# Altium PCB C210.PcbDoc (part 2 of 8) (continued)
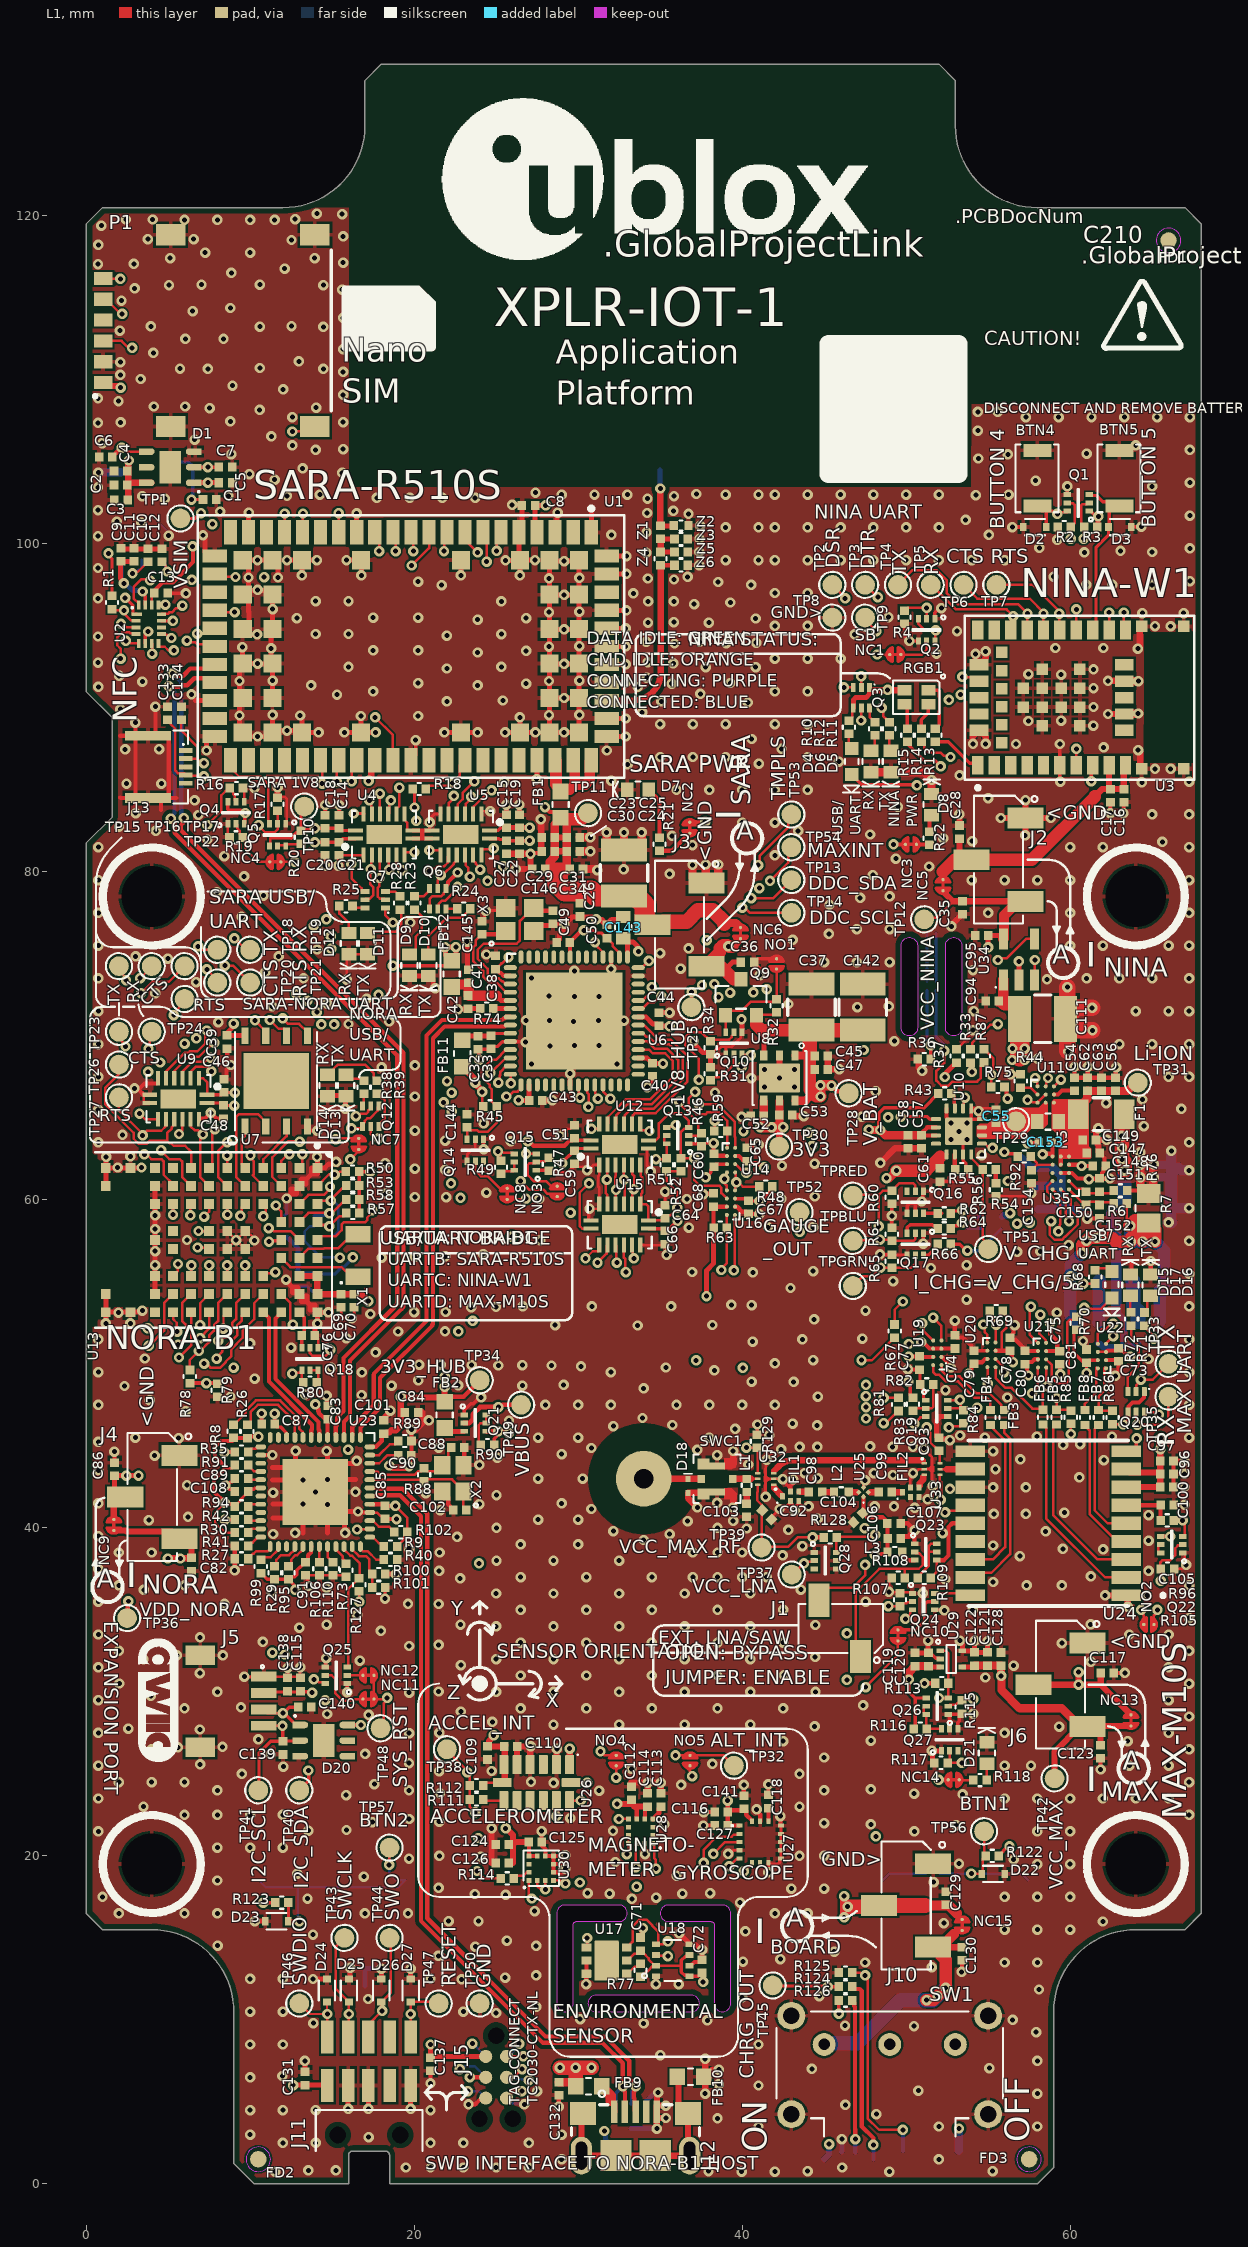
[diagram p0: L1 view]
## Part data
A1: "RF Passive, Antenna, LTE, 600-6000MHz, Monopole", Manufacturer 1=Taoglas, Manufacturer 2=None, Max Operating Temp=85, MFG Package=Custom, Min Operating Temp=-40, RF Freq="698-2700 MHz", Body Size="33mm x 25mm", Height=1.6mm, Item Phase=Unreleased, Manufacturer Part Number 1=PCS.66.A, Manufacturer Part Number 2=None, Part Number=PCS.66.A, Pins=5, Revision=None, Size=Other, SMT Pitch=None, Supplier 2=None, Supplier Part Number 2=None, UBX Code=None, Use in new designs=Yes, Voltage=None
A2: "ANT, THROUGH-HOLE, PATCH, GNSS, BEIDOU, GLONASS, GPS, 5dBi, 25MMx35MMx4MM", Manufacturer 1=Taoglas, Manufacturer 2=Molex, Manufacturer Part Number 2=2042860001, Max Operating Temp=125, MFG Package=Custom, Min Operating Temp=-55, Supplier Part Number 1=931-1472-ND, Voltage=N/A, Body Size="25mm x 25mm", Height=4mm, Item Phase=Unreleased, Manufacturer Part Number 1=CGGP.25.4.E.02, Part Number=CGGP.25.4.E.02, Pins=1, Revision=None, Size=Other, SMT Pitch=N/A, Supplier 1=Digi-key, Supplier 2=None, Supplier Part Number 2=None, UBX Code=None, Use in new designs=Yes
BTN1 BTN2: "Button, Tactile, SPST, NO, SMT, Vert", Manufacturer 1=E-Switch, Manufacturer Part Number 2=TL6120DF500QG, Max Operating Temp=None, Part Name="CON HDR 0.1\" 3 Pin 1 Row SMT R/A", Diameter=None, Height=3.05mm, Item Phase="In Production", Manufacturer 2=E-Switch, Manufacturer Part Number 1=TL6120DF300QG, Min Operating Temp=None, Part Number=TL6120DF300QG, Pins=3, Revision=0A, Supplier 1=None, Supplier 2=None, Supplier Part Number 1=None, Supplier Part Number 2=None, UBX Code=None, Use in new designs=Yes, Voltage=None
BTN3: "Button SPST-NO Off-MOM, 50mA 12V, Right Angle, SMT", Current=50mA, Manufacturer 1="Omron Electronics Inc-EMC Div", Manufacturer 2=None, Manufacturer Part Number 1=B3U-3000P, Max Operating Temp=70, Min Operating Temp=-25, Part Name="Button Tactile SPST-NO 50mA 3mm RA SMT", Supplier Part Number 1=SW1022CT-ND, Voltage=12VDC, Body Size="3.00mm x 2.50mm", Height=1.35mm, Item Phase="In Production", Manufacturer Part Number 2=None, Part Number=135-00006, Pins=2, Revision=0A, Supplier 1=Digi-Key, Supplier 2=None, Supplier Part Number 2=None, UBX Code=None, Use in new designs=Yes
BTN4 BTN5: "Button, Momentary SPST-NO, 0.05A, 12V, 3mm x 2.5mm", Current=50mA, Manufacturer 1="Omron Electronics Inc-EMC Div", Manufacturer 2=None, Manufacturer Part Number 1=B3U-1000P, Max Operating Temp=70, Min Operating Temp=-25, Part Name="SWITCH TACTILE SPST-NO 0.05A 12V", Supplier Part Number 1=SW1020CT-ND, Voltage=12VDC, Body Size="3mm x 2.5mm", Height=1.2mm, Item Phase="In Production", Manufacturer Part Number 2=None, Part Number=135-00007, Pins=2, Revision=0A, Supplier 1=Digi-Key, Supplier 2=None, Supplier Part Number 2=None, UBX Code=None, Use in new designs=Yes
C1 C4 C5 C6 C7 C10 C12: library part 120-00045, "Cap, Ceramic,  33pF, 50V, 5%, NPO, 0402", Manufacturer 1="Samsung Electro-Mechanics America, Inc", Manufacturer 2="Murata Electronics North America", Manufacturer Part Number 1=CL05C330JB5NNNC, Manufacturer Part Number 2=GRM1555C1H330JA01D, Max Operating Temp=125, Min Operating Temp=-55, Part Name="CAP CER 33PF 50V 5% NP0 0402", Supplier Part Number 1=1276-1272-1-ND, Temperature Coefficient=NP0, Tolerance="+/- 5%", Voltage=50V, Height=0.55mm, Item Phase="In Production", Part Number=120-00045, Pins=2, Revision=0A, Size=0402, Supplier 1=Digi-Key, Supplier 2=Digi-Key, Supplier Part Number 2=490-5936-1-ND, UBX Code=None, Use in new designs=Yes
C2 C8 C9 C13 C17 C18 C19 C20 C22 C30 C33 C38 C39 C40 C42 C43 C44 C45 C46 C48 C49 C50 C51 C53 C56 C59 C60 C64 C65 C66 C67 C68 C69 C70 C71 C72 C73 C74 C75 C76 C77 C78 C79 C80 C81 C83 C85 C87 C89 C90 C91 C95 C101 C108 C110 C113 C114 C115 C117 C120 C125 C127 C131 C132 C136 C137 C141 C144 C147 C149 C150 C151 C152 C154: library part 120-00016, "Cap, Ceramic 0.1uF 10V 10% X5R 0402", Manufacturer="Murata Electronics North America", Manufacturer 2=Yageo, Manufacturer P/N=GRM155R61A104KA01J, Manufacturer P/N 2=CC0402KRX5R6BB104, Part Name="CAP CER 0.1UF 10V 10% X5R 0402", Supplier Part Number 1=490-6297-1-ND, Temperature Coefficient=X5R, Tolerance="+/- 10%", Voltage=10V, Arena Link=https://app.bom.com/a/GYHPV2L2L43KRMBK?v=spec.summary, Component Mounting Type=SMT, Height=0.55mm, Item_Phase=Production, Part Number=120-00016, Part_Type="Ceramic Capacitor", Pins=2, Revision=0A, Size=0402, Supplier 1=Digi-Key, Supplier 2=Digi-Key, Supplier Part Number 2=311-1336-1-ND, Use in new designs=Yes
C3 C11 C16 C29 C31 C32 C41 C47 C52 C55 C57 C58 C61 C84 C94 C109 C112 C116 C124 C126 C128 C135: library part 120-00020, "Cap, Ceramic 4.7uF 10V 20% X5R 0402", Manufacturer 1="Samsung Electro-Mechanics America, Inc", Manufacturer 2=Yageo, Manufacturer Part Number 1=CL05A475MP5NRNC, Manufacturer Part Number 2=CC0402KRX5R6BB475, Max Operating Temp=85, Min Operating Temp=-55, Part Name="CAP CER 4.7uF 10V 20% X5R 0402", Supplier Part Number 1=1276-1482-1-ND, Temperature Coefficient=X5R, Tolerance="+/- 20%", Voltage=10V, Height=0.55mm, Item Phase="In Production", Part Number=120-00020, Pins=2, Revision=0C, Size=0402, Supplier 1=Digi-Key, Supplier 2=Digi-Key, Supplier Part Number 2=311-3477-1-ND, UBX Code=None, Use in new designs=Yes
C14 C15 C21 C23 C27 C28 C34 C35 C36 C63 C82 C86 C92 C93 C96 C100 C107 C122 C123 C129 C130 C138 C139 C140: library part 120-00047, "Cap, Ceramic, 68pF, 50V, 1%, NP0, 0402", Manufacturer 1="Murata Electronics North America", Manufacturer 2="AVX Corporation", Manufacturer Part Number 1=GRM1555C1H680FA01D, Manufacturer Part Number 2=04025A680FAT2A, Max Operating Temp=125, Min Operating Temp=-55, Part Name="CAP CER 68PF 50V 1% NP0 0402", Supplier Part Number 1=490-8219-1-ND, Temperature Coefficient=NP0, Tolerance="+/- 1%", Voltage=50V, Height=0.55mm, Item Phase=Unreleased, Part Number=120-00047, Pins=2, Revision=None, Size=0402, Supplier 1=Digi-Key, Supplier 2=Digi-Key, Supplier Part Number 2=478-7881-1-ND, UBX Code=None, Use in new designs=Yes
C24 C97 C98 C105 C106: library part 120-00010, "CAP CER 1.0nF 50V 10% X7R 0402", Manufacturer 1="TDK Corporation", Manufacturer 2=Kemet, Manufacturer Part Number 1=C1005X7R1H102K050BE, Manufacturer Part Number 2=C0402C102K5RACTU, Max Operating Temp=125, Min Operating Temp=-55, Part Name="CAP CER 1.0NF 50V 10% X7R 0402", Supplier Part Number 1=445-173622-1-ND, Temperature Coefficient=X7R, Tolerance="+/- 10%", Voltage=50V, Height=0.55mm, Item Phase="In Production", Part Number=120-00010, Pins=2, Revision=0D, Size=0402, Supplier 1=Digi-Key, Supplier 2=Digi-Key, Supplier Part Number 2=399-1032-1-ND, UBX Code=None, Use in new designs=Yes
C25 C62: library part 120-00041, "Cap, Ceramic 18pF 50V 5% NP0 0402", Manufacturer 1="NIC Components Inc", Manufacturer 2=CCK, Manufacturer Part Number 1=NMC0402NPO180J50TRPF, Manufacturer Part Number 2=CCK0402NPO5J180PL, Max Operating Temp=125, Min Operating Temp=-55, Part Name="CAP CER 18PF 50V 5% NP0 0402", Temperature Coefficient=NP0, Tolerance="+/- 5%", Voltage=50V, Height=0.55mm, Item Phase="In Production", Part Number=120-00041, Pins=2, Revision=0C, Size=0402, Supplier 1=Arrow, Supplier 2=None, Supplier Part Number 1=NMC0402NPO180J50TRPF, Supplier Part Number 2=None, UBX Code=None, Use in new designs=Yes
C26 C37 C111 C142: library part 120-00223, "100µF ±20% 10V Ceramic Capacitor X5R 1210 (3225 Metric)", Manufacturer 1="Samsung Electro-Mechanics America, Inc.", Manufacturer 2=None, Manufacturer Part Number 1=CL32A107MPVNNNE, Max Operating Temp=85, Min Operating Temp=-55, Part Name="CAP CER 100UF 10V 20% X5R 1210", Supplier Part Number 1="Samsung Electro-Mechanics America, Inc. CL32A107MPVNNNE", Temperature Coefficient=X5R, Tolerance="+/- 20%", Voltage=10V, Height=2.8mm, Item Phase="In Production", Manufacturer Part Number 2=None, Part Number=120-00223, Pins=2, Revision=0A, Size=1210, Supplier 1="Future Electronics", Supplier 2=None, Supplier Part Number 2=None, UBX Code=None, Use in new designs=Yes
C54 C118: library part 120-00072, "Cap, Ceramic, 0.47UF 10V 10% X5R 0402", Manufacturer 1="Murata Electronics North America", Manufacturer 2="Samsung Electro-Mechanics America, Inc", Manufacturer Part Number 1=GRM155R61A474KE15J, Manufacturer Part Number 2=CL05A474KP5NNNC, Max Operating Temp=85, Min Operating Temp=-55, Part Name="CAP CER 0.47UF 10V 10% X5R 0402", Supplier Part Number 1=490-6305-1-ND, Temperature Coefficient=X5R, Tolerance="+/- 10%", Voltage=10V, Height=0.55mm, Item Phase="In Production", Part Number=120-00072, Pins=2, Revision=0A, Size=0402, Supplier 1=Digi-Key, Supplier 2=Digi-Key, Supplier Part Number 2=1276-1173-1-ND, UBX Code=None, Use in new designs=Yes
C88 C102: library part 120-00048, "Cap, Ceramic 6pF 50V NP0 0402  Tolerance = +/-0.5pF", Manufacturer 1="Cal-Chip Electronics", Manufacturer 2="Darfon Electronics Corp", Manufacturer Part Number 1=GMC04CG6R0D50NT, Manufacturer Part Number 2=C1005NPO609DGTS, Max Operating Temp=125, Min Operating Temp=-55, Part Name="CAP CER 6pF 50V +/-0.5pF NP0 0402", Supplier Part Number 1=None, Temperature Coefficient=NP0, Tolerance=Other, Voltage=50V, Height=0.55mm, Item Phase="In Production", Part Number=120-00048, Pins=2, Revision=0B, Size=0402, Supplier 1=None, Supplier 2=None, Supplier Part Number 2=None, UBX Code=None, Use in new designs=Yes
C99: library part 120-00081, "Cap, Ceramic 47pF 50V 5% NP0 0402", Manufacturer 1="Murata Electronics North America", Manufacturer 2="Samsung Electro-Mechanics America, Inc", Manufacturer Part Number 1=GRM1555C1H470JA01D, Manufacturer Part Number 2=CL05C470JB5NNNC, Max Operating Temp=125, Min Operating Temp=-55, Part Name="CAP CER 47PF 50V 5% NP0 0402", Supplier Part Number 1=490-5942-1-ND, Temperature Coefficient=NP0, Tolerance="+/- 5%", Voltage=50V, Height=0.55mm, Item Phase="In Production", Part Number=120-00081, Pins=2, Revision=0A, Size=0402, Supplier 1=Digi-Key, Supplier 2=Digi-Key, Supplier Part Number 2=1276-1699-1-ND, UBX Code=None, Use in new designs=Yes
C103 Z1: library part 120-00079, "CAP CER 3.3PF 50V +/-0.25pF NP0 0402", Manufacturer 1="Murata Electronics North America", Manufacturer 2="Samsung Electro-Mechanics America, Inc", Manufacturer Part Number 1=GRM1555C1H3R3CA01D, Manufacturer Part Number 2=CL05C3R3CB5NNNC, Max Operating Temp=125, Min Operating Temp=-55, Supplier Part Number 1=490-5938-1-ND, Temperature Coefficient=NP0, Tolerance=Other, Voltage=50V, Height=0.55mm, Item Phase="In Production", Part Name="CAP CER 3.3PF 50V +/-0.25pF NP0 0402", Part Number=120-00079, Pins=2, Revision=0A, Size=0402, Supplier 1=Digi-Key, Supplier 2=Digi-Key, Supplier Part Number 2=1276-1141-1-ND, UBX Code=None, Use in new designs=Yes
C104 C145 C146: library part 120-00110, "Capacitor, Ceramic, 15pF 5%, 50V, NPO, 0402", Manufacturer 1="Murata Electronics North America", Manufacturer 2=None, Manufacturer Part Number 1=GRM1555C1H150JA01D, Max Operating Temp=125, Min Operating Temp=-55, Part Name="CAP CER 15pF 50V 5% NP0 0402", Supplier Part Number 1=490-5888-1-ND, Temperature Coefficient=NP0, Tolerance="+/- 5%", Voltage=50V, Height=0.55mm, Item Phase="In Production", Manufacturer Part Number 2=None, Part Number=120-00110, Pins=2, Revision=0A, Size=0402, Supplier 1=Digi-Key, Supplier 2=None, Supplier Part Number 2=None, UBX Code=None, Use in new designs=Yes
C119 C121 C148: library part 120-00017, "Cap, Ceramic, 1.0uF 10V 10% X5R, 0402", Manufacturer="Murata Electronics North America", Manufacturer 2="TDK Corporation", Manufacturer P/N=GRM155R61A105KE15D, Manufacturer P/N 2=C1005X5R1A105K050BB, Part Name="CAP CER 1UF 10V 10% X5R 0402", Supplier Part Number 1=490-3890-1-ND, Temperature Coefficient=X5R, Tolerance="+/- 10%", Voltage=10V, Arena Link=https://app.bom.com/a/1J2AGN6N6PO5C7V9?v=spec.summary, Component Mounting Type=SMT, Height=0.55mm, Item_Phase=Production, Part Number=120-00017, Part_Type="Ceramic Capacitor", Pins=2, Revision=0A, Size=0402, Supplier 1=Digi-Key, Supplier 2=Digi-Key, Supplier Part Number 2=445-4114-1-ND, Use in new designs=Yes
C133 C134: library part 120-00099, "Cap, Ceramic 300pF 50V 5% NP0 0402", Manufacturer="Murata Electronics North America", Manufacturer 2=CCK, Manufacturer P/N=GRM1555C1H301JA01D, Manufacturer P/N 2=CCK0402NPO5J301PL, Part Name="CAP CER 300pF 50V 5% NP0 0402", Supplier Part Number 1=490-3234-1-ND, Temperature Coefficient=NP0, Tolerance="+/- 5%", Voltage=50V, Alternate Footprint Ref="Cap 0402", Arena Link=https://app.bom.com/a/BTCKQXGXGZYCR3MS?v=spec.summary, Component Mounting Type=SMT, Height=0.55mm, Item_Phase=Production, Part Number=120-00099, Part_Type="Ceramic Capacitor", Pins=2, Revision=0B, Size=0402, Supplier 1=Digi-Key, Use in new designs=Yes
C143: library part UBXH01-0000035, "CAP CER X5R 0603 3U3 10% 10V", Manufacturer="Murata Manufacturing Company, Ltd.", Manufacturer 2="Samsung Electro-Mechanics", Manufacturer P/N=GRM188R61A335KE15, Manufacturer P/N 2=CL10A335KP8NNN, Max Voltage=10V, Tolerance=10%, Editor=dario.antonaz, Env=ROHS, Mfg P/N Datasheet=https://wiki.u-blox.com/bin/view/Generic/Docs/DocumentSummary?index=15218, Mfg P/N Datasheet 2=https://wiki.u-blox.com/bin/view/Generic/Docs/DocumentSummary?index=28127, Mfg P/N Released=Yes, Mfg P/N Released 2=Yes, Mfg P/N Split=100, Mfg P/N Split 2=0, Mfg P/N Status=NRND, Mfg P/N Status 2=Active, Part Number=UBXH01-0000035, Part Type=Capacitor, Perferred=PREF, Permitted Use="Volume Products", RefDes=C, Release Data=2011-07-12T16:43:12, Released by=karel.cotic, Size=0603, UBX Wiki=https://wiki.u-blox.com/bin/view/Operations/PartDetails?index=15220
C153: library part 120-00080, "Cap, Ceramic 33nF 16V 10% X7R 0402", Manufacturer 1=Yageo, Manufacturer 2="TDK Corporation", Manufacturer Part Number 1=CC0402KRX7R7BB333, Manufacturer Part Number 2=CGA2B2X7R1C333K050BA, Max Operating Temp=125, Min Operating Temp=-55, Part Name="CAP CER 33nF 16V 10% X7R 0402", Supplier Part Number 1=311-1420-1-ND, Temperature Coefficient=X7R, Tolerance="+/- 10%", Voltage=16V, Height=0.55mm, Item Phase="In Production", Part Number=120-00080, Pins=2, Revision=0A, Size=0402, Supplier 1=Digi-Key, Supplier 2=Digi-Key, Supplier Part Number 2=445-12238-1-ND, UBX Code=None, Use in new designs=Yes
D1 D20 D28: library part TPD3E001, "TVS Diode, ESD High Speed 3-Channel Array, WSON-6, 3mmX3mm", Current=None, Manufacturer 1="Texas Instruments", Manufacturer Part Number 1=TPD3E001DRSR, Max Operating Temp=85, MFG Package="WSON-6, DRS (S-PWSON-N6)", Min Operating Temp=-40, Part Name="Diode TVS 5V 3CH WSON-6", Voltage=5.5V, Body Size="3mm x 3mm", Height=0.80mm, Item Phase="In Production", Manufacturer 2=None, Manufacturer Part Number 2=None, Pins=6, Revision=0A, Supplier 2=None, Supplier Part Number 2=None, UBX Code=None, Use in new designs=Yes
D2 D3 D22 D23 D24 D25 D26 D27: "Diode TVS 5VWM BiDIR SOD523", Current=None, Manufacturer 1="ON Semiconductor", Manufacturer Part Number 1=ESD5B5.0ST1G, Max Operating Temp=150, MFG Package=SOD-523, Min Operating Temp=-55, Part Name="Diode TVS 5VWM SOD523", Supplier Part Number 1=ESD5B5.0ST1GOSCT-ND, Voltage=5VWM, Body Size="1.2mm x 0.8mm", Height=0.7mm, Item Phase=Unreleased, Manufacturer 2=None, Manufacturer Part Number 2=None, Part Number=110-00041, Pins=2, Revision=None, Supplier 1=Digi-Key, Supplier 2=None, Supplier Part Number 2=None, UBX Code=None, Use in new designs=Yes
D4 D15: "LED BLUE DIFFUSED 0603 SMD", Current=None, Manufacturer 1="OSRAM Opto Semiconductors Inc", Manufacturer Part Number 1="LB Q39G-L2OO-35-1", Supplier Part Number 1=475-2816-1-ND, Body Size=None, Height=None, Item Phase=Unreleased, Manufacturer 2=None, Manufacturer Part Number 2=None, Max Operating Temp=None, MFG Package=None, Min Operating Temp=None, Part Name="LED BLUE DIFFUSED 0603 SMD", Part Number=115-00023, Pins=None, Revision=None, Size=None, Supplier 1=Digi-Key, Supplier 2=None, Supplier Part Number 2=None, UBX Code=None, Use in new designs=None, Voltage=None
D5 D10 D11 D13 D16: library part LTST-C190KGKT, "DIODE, LED, SMT, GREEN, CLEAR LENS, 2.0V 20mA, 0603", Current=20mA, Manufacturer 1="Lite-On Inc", Manufacturer 2=None, Max Operating Temp=85, Min Operating Temp=-30, Part Name="LED Green SMT 0603", Supplier Part Number 1=160-1435-2-ND, Voltage=2.0V, Body Size="1.60mm x 0.80mm", Height=0.80mm, Item Phase="In Production", Manufacturer Part Number 1=LTST-C190KGKT, Manufacturer Part Number 2=None, MFG Package=None, Part Number=115-00019, Pins=2, Revision=0A, Size=0603, Supplier 1=Digi-Key, Supplier 2=None, Supplier Part Number 2=None, UBX Code=None, Use in new designs=Yes
D6 D9 D12 D14 D17: "DIODE, LED, SMT, YELLOW, CLEAR LENS, 2.1V 10mA, 0603", Current=10mA, Manufacturer 1="Lite-On Inc", Manufacturer 2=None, Max Operating Temp=85, Min Operating Temp=-30, Part Name="LED Yellow SMT 0603", Supplier Part Number 1=160-1184-2-ND, Voltage=2.1V, Body Size="1.60mm x 0.80mm", Height=0.80mm, Item Phase="In Production", Manufacturer Part Number 1=LTST-C190YKT, Manufacturer Part Number 2=None, MFG Package=None, Part Number=LTST-C190YKT, Pins=2, Revision=0A, Size=0603, Supplier 1=Digi-Key, Supplier 2=None, Supplier Part Number 2=None, UBX Code=None, Use in new designs=Yes
D7 D8 D21: "DIODE, LED, SMT, Red, CLEAR LENS, 2.0V 10mA, 0603", Current=10mA, Manufacturer 1="Lite-On Inc", Manufacturer 2=None, Max Operating Temp=85, Min Operating Temp=-30, Part Name="LED Red SMT 0603", Supplier Part Number 1=160-1182-2-ND, Voltage=2.0V, Body Size="1.60mm x 0.80mm", Height=0.80mm, Item Phase="In Production", Manufacturer Part Number 1=LTST-C190EKT, Manufacturer Part Number 2=None, MFG Package=None, Part Number=LTST-C190EKT, Pins=2, Revision=0A, Size=0603, Supplier 1=Digi-Key, Supplier 2=None, Supplier Part Number 2=None, UBX Code=None, Use in new designs=Yes
D18: library part ESD9101P2T5G, "Diode, TVS, SMT, ESD9101P2T5G, 3.3V, 0.5pF, SOD-923", Current=None, Manufacturer 1="ON Semiconductor", Max Operating Temp=150, MFG Package=SOD-923, Min Operating Temp=-55, Part Name="Diode TVS 3.3V SOD-923", Voltage=3.3V, Body Size="0.8mm x 0.6mm", Height=0.4mm, Item Phase="In Production", Manufacturer Part Number 1=ESD9101P2T5G, Pins=2, Revision=0A, UBX Code=None, Use in new designs=Yes
D29: "Dual LED, Red/Green, Right Angle, Dome 1208", Current=20mA, Manufacturer 1=Dialight, Manufacturer 2=None, Manufacturer Part Number 1=5988510207F, MFG Package="1208 Bi-color", Part Name="LED Red/Green RA SMT 1208", Supplier Part Number 1=350-2072-1-ND, Body Size="3.2mm x 1.5mm", Height=1.0mm, Item Phase="In Production", Manufacturer Part Number 2=None, Max Operating Temp=None, Min Operating Temp=None, Part Number=115-00013, Pins=4, Revision=0A, Size=None, Supplier 1=Digi-Key, Supplier 2=None, Supplier Part Number 2=None, UBX Code=None, Use in new designs=Yes, Voltage=None
ESIM: "ESIM, SMT, MFF2, 1.8V, SMT, VFDFPN8, 5mmX6mm", Current=None, Manufacturer 1=Thingstream, Manufacturer Part Number 1="MFF2 ESIM", Max Operating Temp=85, MFG Package=VFDFPN8, Min Operating Temp=-40, Part Name=ESIM, Voltage=1.8V, Body Size="5mm x 6mm", Height=1mm, Item Phase="In Production", Part Number="MFF2 SIM", Pins=12, Revision=0A, UBX Code=None, Use in new designs=Yes
F1: "Fuse, PTC 8V, 750mA, hold, 1.5A trip, 1206", Current=750mA, Manufacturer 1=Littelfuse, Manufacturer Part Number 1=1206L075THYR, Max Operating Temp=85, MFG Package=1206L, Min Operating Temp=-40, Part Name="Fuse PTC 8V 750mA 1206", Supplier Part Number 1=F3370CT-ND, Voltage=None, Body Size=None, Height=0.75mm, Item Phase=Unreleased, Part Number=190-00005, Pins=2, Revision=None, Size=1206, Supplier 1=Digi-Key, UBX Code=None, Use in new designs=Yes
FB1 FB2 FB9 FB10 FB11 FB12: "Ferrite Bead, 220ohm @ 100MHz, 2A, 0603", Current=2A, Manufacturer 1="Murata Electronics North America", Manufacturer 2=None, Manufacturer Part Number 1=BLM18EG221SN1D, Max Operating Temp=85, Min Operating Temp=-55, Part Name="Ferrite Bead 220ohm 2A 0503", Supplier Part Number 1=490-3992-2-ND, Body Size=None, Height=0.8mm, Item Phase=Unreleased, Manufacturer Part Number 2=None, MFG Package=None, Part Number=BLM18EG221SN1, Pins=None, Revision=None, Size=0603, Supplier 1=Digi-Key, Supplier 2=None, Supplier Part Number 2=None, UBX Code=None, Use in new designs=Yes, Voltage=None
FB3 FB4 FB5 FB6 FB7 FB8: "Ferrite Bead, 1k Ohm @ 100MHz, 0402", Current=150mA, Manufacturer 1="Taiyo Yuden", Manufacturer 2=Kemet, Manufacturer Part Number 1=BK1005HM102-T, Manufacturer Part Number 2=Z0402C102BSMST, Max Operating Temp=125, MFG Package=None, Min Operating Temp=-55, Part Name="FERRITE BEAD 1K OHM 0402", Supplier Part Number 1=587-1835-1-ND, Body Size=None, Height=0.55mm, Item Phase="In Production", Part Number=155-00003, Pins=2, Revision=0A, Size=0402, Supplier 1=Digi-Key, Supplier 2=Digi-Key, Supplier Part Number 2=399-9602-1-ND, UBX Code=None, Use in new designs=Yes, Voltage=None
FD1 FD2 FD3 FD4 FD5 FD6: library part Fiducial_1mm_Circle, "1mm Fiducial Target", Part Number=Fiducial_1mm, Added By=EMOO, Added Date=12/12/2020, DNP=DNP, Height=0
FIL1 FIL2: "FILTER, SMT, SAW, GNSS, 1.559-1.606GHz, LGA5", Current=None, Manufacturer 1=RF360, Max Operating Temp=85, MFG Package=QCS5P, Min Operating Temp=-40, Supplier Part Number 1=871-B39162B4353P810, Voltage=N/A, Body Size="1.4mm x 1.1mm", Height=0.45mm, Item Phase="In Production", Manufacturer Part Number 1=B39162B4353P810, Part Name=B39162B4353P810, Part Number=B39162B4353P810, Pins=5, Revision=0A, Supplier 1=Mouser, UBX Code=None, Use in new designs=Yes
J1: "Header, 0.100\" Pitch, 2 Pin, Vertical SMT, Black", Manufacturer 1="Amphenol ICC (FCI)", Manufacturer 2="Sullins Connector Solutions", Manufacturer Part Number 2=NREC002SABC-M30RC, Max Operating Temp=None, Part Name="CON HDR 0.1\" 2 Pin 1 Row SMT", Diameter=None, Height=9.93mm, Item Phase="In Production", Manufacturer Part Number 1=10129380-902001ALF, Min Operating Temp=None, Part Number=10129380-902001ALF, Pins=2, Revision=0C, UBX Code=None, Use in new designs=Yes, Voltage=None
J2 J3 J6 J10: "Header, 0.100\" Pitch, 3 Pin, Vertical SMT, Black", Manufacturer 1="Harwin Inc", Manufacturer 2="Greenconn Corporation", Manufacturer Part Number 1=M20-8770342, Manufacturer Part Number 2=GPHC1010302A081B1BD, Max Operating Temp=None, Part Name="CON HDR 0.1\" 3 Pin 1 Row SMT", Supplier Part Number 1=952-1951-ND, Diameter=None, Height=9.93mm, Item Phase="In Production", Min Operating Temp=None, Part Number=130-00105, Pins=3, Revision=0C, Supplier 1=Digi-Key, Supplier 2="Teamwise Limited", Supplier Part Number 2="Greenconn Corporation GPHC1010302A081B1BD", UBX Code=None, Use in new designs=Yes, Voltage=None